# KiCad board poly_kb_molecule_7x5_wave_left.kicad_pcb (continued)
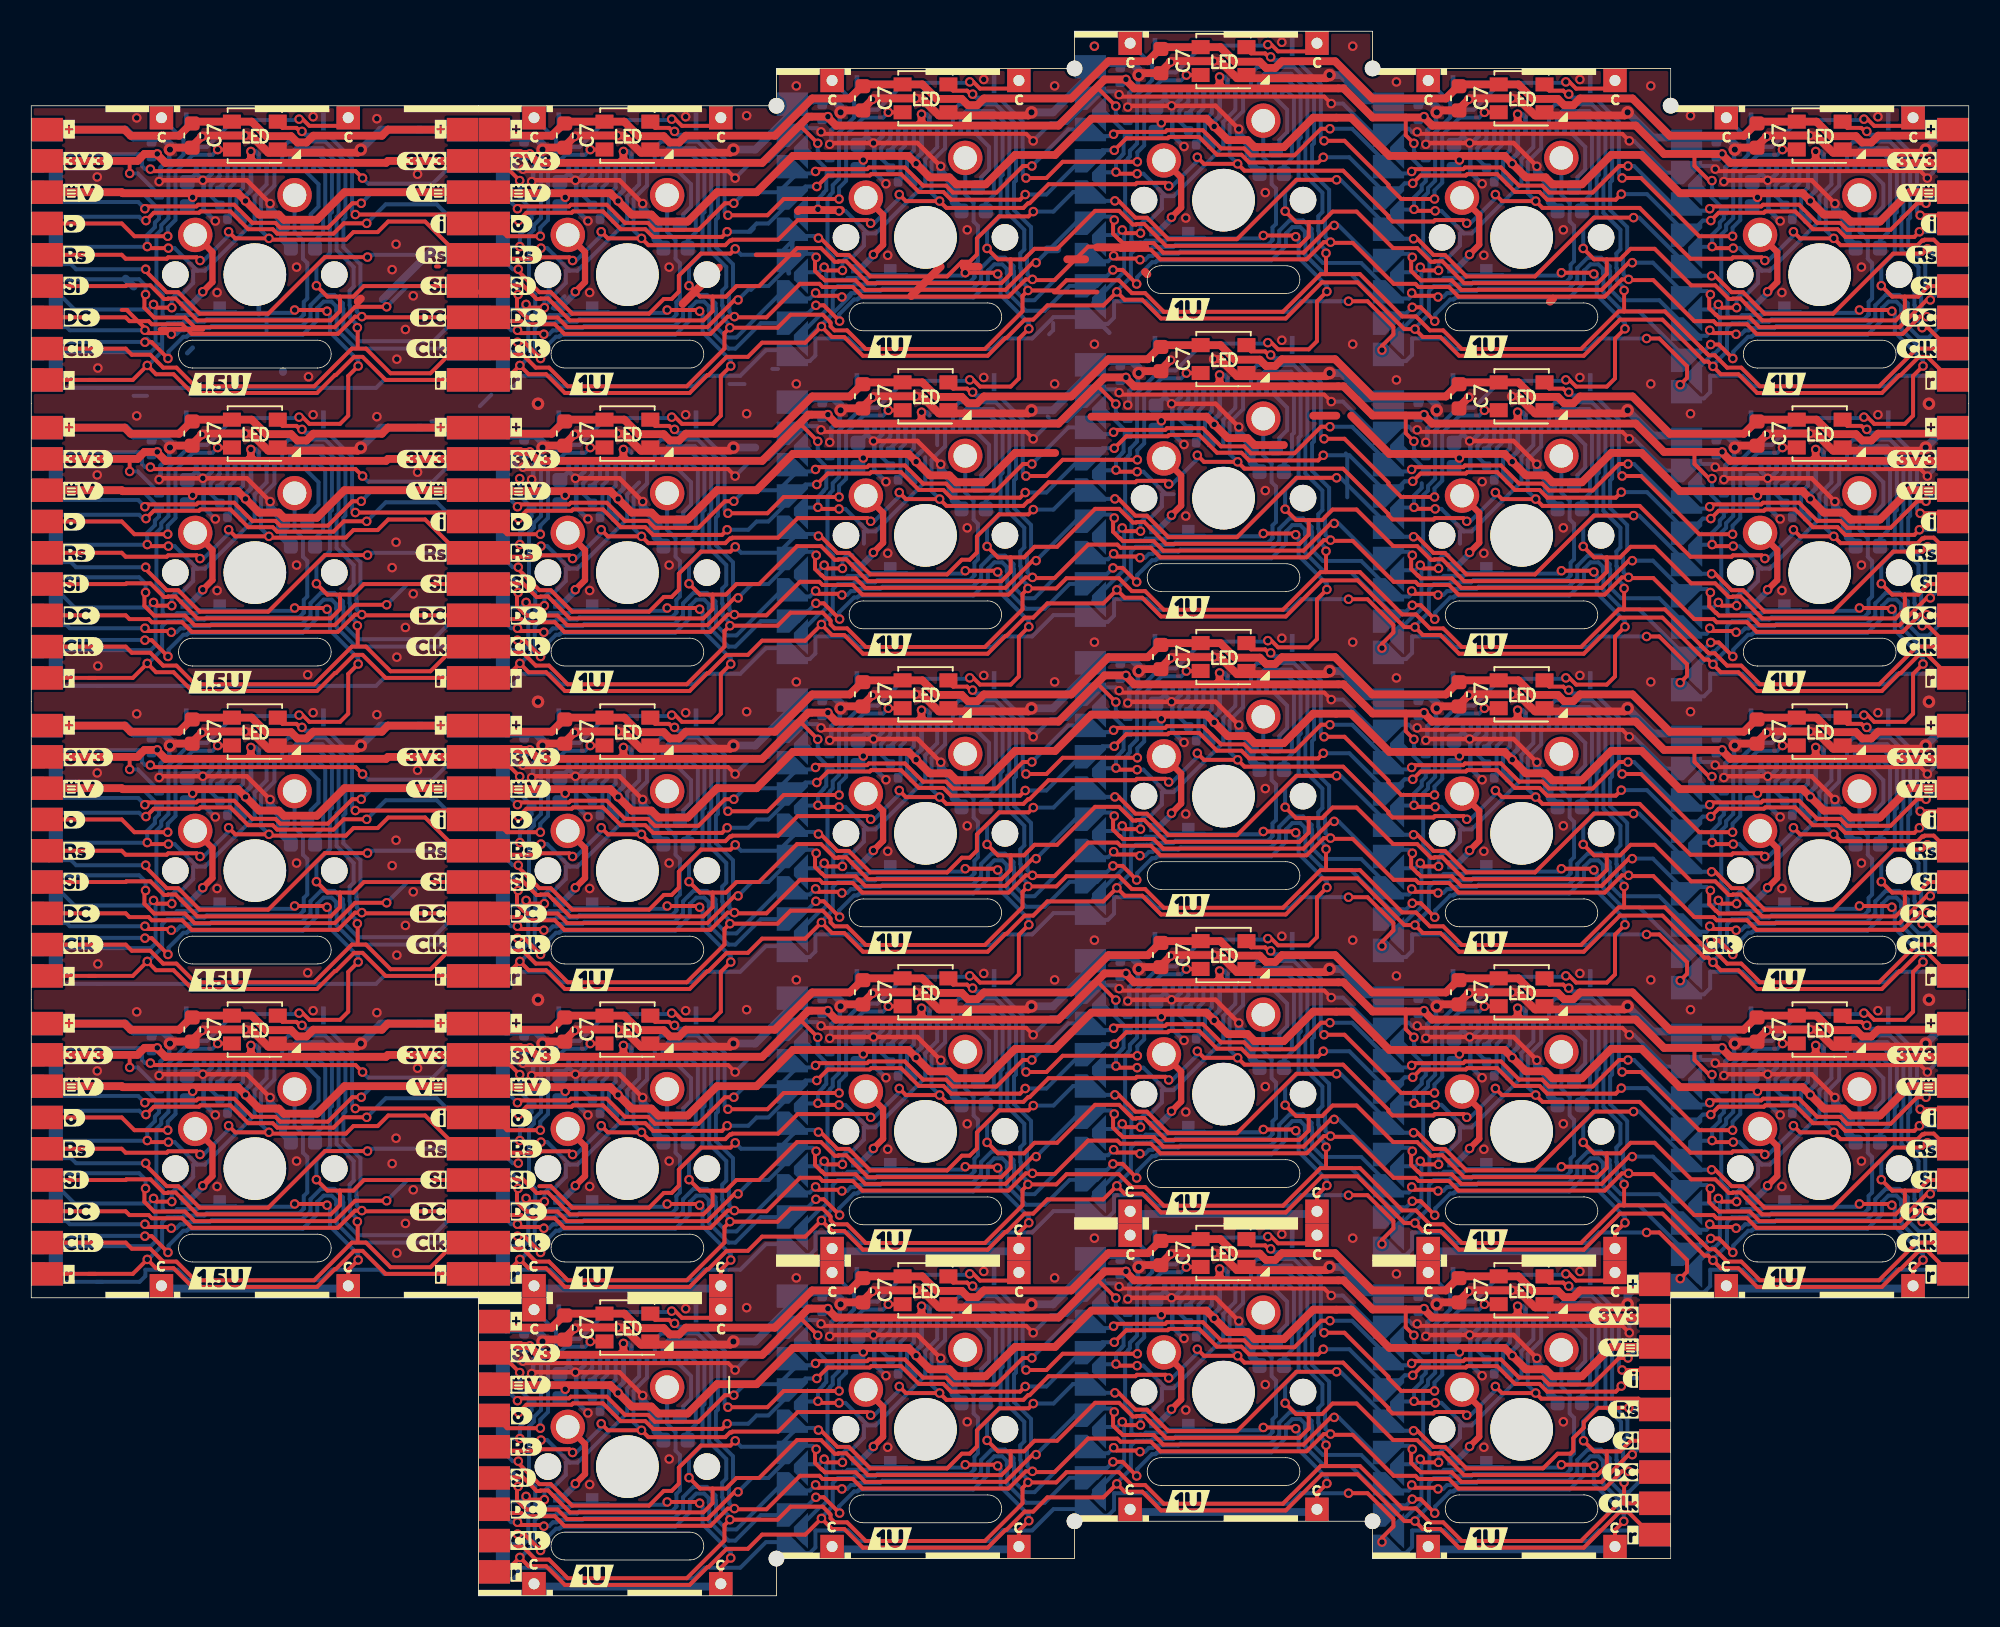
[diagram p0: board, top side]
## Routing (per net, layer and track width the routed paths; a pad name or vN(x,y) marks a point on that pad's centre or on a via; arc(x,y) is an arc through that point) (continued)
  Bottom w0.25: 75.01,10.57 74.97,10.61 72.68,10.61 72.65,10.57 ; 55.96,84.39 55.92,84.43 53.63,84.43 53.6,84.39 ; 55.96,65.34 55.92,65.38 53.63,65.38 53.6,65.34 ; 72.65,48.67 72.68,48.71 74.97,48.71 75.01,48.67 ; 13.1,62.96 13.06,63 10.77,63 10.73,62.96 ; 91.7,65.34 91.73,65.38 94.03,65.38 94.06,65.34 ; 36.91,43.91 36.88,43.95 34.58,43.95 34.55,43.91 ; 55.96,27.24 55.92,27.28 53.63,27.28 53.6,27.24 ; 113.11,62.96 113.08,63 110.78,63 110.75,62.96 ; 75.01,29.62 74.97,29.66 72.68,29.66 72.65,29.62 ; 36.91,62.96 36.88,63 34.58,63 34.55,62.96 ; 36.91,5.81 36.88,5.85 34.58,5.85 34.55,5.81 ; 110.75,82.01 110.78,82.05 113.08,82.05 113.11,82.01 ; 13.1,82.01 13.06,82.05 10.77,82.05 10.73,82.01 ; 91.7,46.29 91.73,46.33 94.03,46.33 94.06,46.29 ; 53.6,46.29 53.63,46.33 55.92,46.33 55.96,46.29 ; 34.55,82.01 34.58,82.05 36.88,82.05 36.91,82.01 ; 94.06,84.39 94.03,84.43 91.73,84.43 91.7,84.39 ; 13.1,24.86 13.06,24.9 10.77,24.9 10.73,24.86 ; 94.06,27.24 94.03,27.28 91.73,27.28 91.7,27.24 ; 72.65,67.72 72.68,67.76 74.97,67.76 75.01,67.72 ; 34.55,24.86 34.58,24.9 36.88,24.9 36.91,24.86 ; 110.75,24.86 110.78,24.9 113.08,24.9 113.11,24.86 ; 72.65,86.77 72.68,86.81 74.97,86.81 75.01,86.77 ; 13.1,43.91 13.06,43.95 10.77,43.95 10.73,43.91 ; 53.6,8.19 53.63,8.23 55.92,8.23 55.96,8.19 ; 94.06,8.19 94.03,8.23 91.73,8.23 91.7,8.19 ; 113.11,43.91 113.08,43.95 110.78,43.95 110.75,43.91
  Bottom w0.254: 94.06,8.19 97.61,8.19 v1(97.79,8.38) ; v1(59.98,58.68) 59.92,58.62 55.81,58.62 54.09,56.9 53.07,56.9 51.62,55.45 51.62,52.48 51.22,52.07 51.22,51.61 51.04,51.43 51.04,51.39 50.89,51.23 50.89,47.83 51.26,47.46 51.26,46.16 51.38,46.03 51.85,46.03 52.06,46.03 52.18,46.15 53.45,46.15 53.6,46.29 ; v1(59.98,77.73) 59.92,77.67 55.81,77.67 54.09,75.95 53.07,75.95 51.62,74.5 51.62,71.53 51.22,71.12 51.22,70.66 51.04,70.48 51.04,70.44 50.89,70.28 50.89,66.88 51.26,66.51 51.26,65.21 51.38,65.08 51.85,65.08 52.06,65.08 52.18,65.2 53.45,65.2 53.6,65.34 ; 71.64,97.38 71.64,97.85 71.45,98.03 71.45,98.03 J8#5.1 ; 71.64,97.38 73.14,97.38 74.86,99.1 78.97,99.1 v1(79.03,99.16) ; 71.64,97.38 71.64,96.9 70.67,95.93 70.67,92.84 70.21,92.38 70.21,92.02 70.11,91.91 70.11,91.88 69.91,91.68 69.91,88.34 70.31,87.94 70.31,86.64 70.43,86.51 70.9,86.51 71.11,86.51 71.23,86.63 72.5,86.63 72.65,86.77 ; v1(80.81,10.68) 81,10.49 81,9.33 82.8,7.53 v1(82.8,7.18) ; 109.74,92.62 109.74,93.08 109.55,93.27 109.55,93.27 J8#3.1 ; 109.74,92.62 109.74,92.13 108.77,91.17 108.77,88.07 108.32,87.62 108.32,87.32 108.01,87.01 108.01,83.58 108.41,83.18 108.41,81.88 108.53,81.75 109,81.75 109,81.75 109.21,81.75 109.33,81.87 110.6,81.87 110.75,82.01 ; 109.74,92.62 111.24,92.62 112.96,94.34 117.07,94.34 v1(117.13,94.39) ; v1(82.8,26.23) 82.8,26.58 81,28.38 81,29.54 v1(80.81,29.73) ; 90.69,95 92.19,95 93.91,96.72 98.02,96.72 v1(98.08,96.78) ; 90.69,95 90.69,95.46 90.5,95.65 90.5,95.65 J8#9.1 ; 90.69,95 90.69,94.51 89.72,93.55 89.72,90.45 89.27,90 89.27,89.7 88.96,89.39 88.96,85.96 89.36,85.56 89.36,84.26 89.48,84.13 89.95,84.13 90.16,84.13 90.28,84.25 91.55,84.25 91.7,84.39 ; v1(99.86,84.5) 100.05,84.31 100.05,83.15 101.85,81.35 v1(101.85,80.99) ; 53.6,8.19 53.45,8.05 52.18,8.05 52.06,7.93 51.85,7.93 51.38,7.93 51.26,8.06 51.26,9.36 50.89,9.73 50.89,13.13 51.04,13.29 51.04,13.33 51.22,13.51 51.22,13.97 51.62,14.38 51.62,17.35 52.59,18.31 52.59,18.8 ; v1(17.12,75.34) 17.06,75.29 12.95,75.29 11.23,73.57 10.21,73.57 8.76,72.12 8.76,69.02 8.31,68.57 8.31,68.27 8,67.96 8,64.53 8.4,64.13 8.4,62.83 8.52,62.7 8.98,62.7 8.98,62.7 9.2,62.7 9.32,62.82 10.59,62.82 10.73,62.96 ; 91.7,27.24 91.55,27.1 90.28,27.1 90.16,26.98 89.95,26.98 89.48,26.98 89.36,27.11 89.36,28.41 88.96,28.81 88.96,32.24 89.27,32.55 89.27,32.85 89.72,33.3 89.72,36.4 91.17,37.85 92.19,37.85 93.91,39.57 98.02,39.57 v1(98.08,39.63) ; 52.59,95 54.09,95 55.81,96.72 59.92,96.72 v1(59.98,96.78) ; 52.59,95 52.59,95.46 52.4,95.65 52.4,95.65 J8#10.1 ; 52.59,95 52.59,94.51 51.62,93.55 51.62,90.58 51.22,90.17 51.22,89.71 51.04,89.53 51.04,89.49 50.89,89.33 50.89,85.93 51.26,85.56 51.26,84.26 51.38,84.13 51.85,84.13 52.06,84.13 52.18,84.25 53.45,84.25 53.6,84.39 ; v1(59.98,20.58) 59.92,20.52 55.81,20.52 54.09,18.8 52.59,18.8 ; v1(120.9,78.61) 120.9,78.97 119.1,80.77 119.1,81.93 v1(118.91,82.12) ; v1(61.76,65.45) 61.95,65.26 61.95,64.1 63.75,62.3 v1(63.75,61.94) ; v1(97.79,84.58) 97.61,84.39 94.06,84.39 ; v1(40.93,75.34) 40.87,75.29 36.76,75.29 35.04,73.57 33.98,73.57 33.54,73.13 33.54,73.08 32.57,72.12 32.57,69.02 32.12,68.57 32.12,68.27 31.81,67.96 31.81,64.53 32.21,64.13 32.21,62.83 32.33,62.7 32.8,62.7 32.8,62.7 33.01,62.7 33.13,62.82 34.4,62.82 34.55,62.96 ; v1(120.9,21.46) 120.9,21.82 119.1,23.62 119.1,24.78 v1(118.91,24.97) ; v1(97.79,27.43) 97.61,27.24 94.06,27.24 ; v1(117.13,56.29) 117.07,56.24 112.96,56.24 111.24,54.52 110.24,54.52 109.64,53.91 109.62,53.91 108.77,53.07 108.77,49.97 108.32,49.52 108.32,49.22 108.01,48.91 108.01,45.48 108.41,45.08 108.41,43.78 108.53,43.65 109,43.65 109,43.65 109.21,43.65 109.33,43.77 110.6,43.77 110.75,43.91 ; v1(101.85,23.84) 101.85,24.2 100.05,26 100.05,27.16 v1(99.86,27.35) ; 52.59,18.8 52.59,19.26 52.4,19.45 52.4,19.45 J8#4.1 ; v1(17.12,94.39) 17.06,94.34 12.95,94.34 11.23,92.62 9.73,92.62 ; 72.65,29.62 72.5,29.48 71.23,29.48 71.11,29.36 70.9,29.36 70.43,29.36 70.31,29.49 70.31,30.79 69.91,31.19 69.91,34.53 70.11,34.73 70.11,34.76 70.21,34.87 70.21,35.23 70.67,35.69 70.67,38.78 72.12,40.23 73.14,40.23 74.86,41.95 78.97,41.95 v1(79.03,42.01) ; J8#8.1 71.45,21.83 71.45,21.83 71.64,21.65 71.64,21.18 ; 10.73,24.86 10.59,24.72 9.32,24.72 9.2,24.6 8.98,24.6 8.98,24.6 8.52,24.6 8.4,24.73 8.4,26.03 8,26.43 8,29.86 8.31,30.17 8.31,30.47 8.76,30.92 8.76,34.02 10.21,35.47 11.23,35.47 12.95,37.19 17.06,37.19 v1(17.12,37.24) ; v1(99.86,65.45) 100.05,65.26 100.05,64.1 101.85,62.3 v1(101.85,61.94) ; v1(16.83,63.14) 16.65,62.96 13.1,62.96 ; 55.96,65.34 59.51,65.34 v1(59.69,65.53) ; 10.73,82.01 10.59,81.87 9.32,81.87 9.2,81.75 8.98,81.75 8.98,81.75 8.52,81.75 8.4,81.88 8.4,83.18 8,83.58 8,87.01 8.31,87.32 8.31,87.62 8.76,88.07 8.76,91.17 9.73,92.13 9.73,92.62 ; v1(16.83,82.19) 16.65,82.01 13.1,82.01 ; 110.75,24.86 110.6,24.72 109.33,24.72 109.21,24.6 109,24.6 109,24.6 108.53,24.6 108.41,24.73 108.41,26.03 108.01,26.43 108.01,29.86 108.32,30.17 108.32,30.47 108.77,30.92 108.77,34.02 110.22,35.47 111.24,35.47 112.96,37.19 117.07,37.19 v1(117.13,37.24) ; 72.65,10.57 72.5,10.43 71.23,10.43 71.11,10.31 70.9,10.31 70.43,10.31 70.31,10.44 70.31,11.74 69.91,12.14 69.91,15.48 70.11,15.68 70.11,15.71 70.21,15.82 70.21,16.18 70.67,16.64 70.67,19.73 71.64,20.7 71.64,21.18 ; v1(42.71,44.02) 42.9,43.83 42.9,42.67 44.7,40.87 v1(44.7,40.51) ; 36.91,62.96 40.46,62.96 v1(40.64,63.14) ; v1(78.74,29.81) 78.56,29.62 75.01,29.62 ; 71.64,21.18 73.14,21.18 74.86,22.9 78.97,22.9 v1(79.03,22.96) ; 34.55,43.91 34.4,43.77 33.13,43.77 33.01,43.65 32.8,43.65 32.8,43.65 32.33,43.65 32.21,43.78 32.21,45.08 31.81,45.48 31.81,48.91 32.12,49.22 32.12,49.52 32.57,49.97 32.57,53.07 34.02,54.52 35.04,54.52 36.76,56.24 40.87,56.24 v1(40.93,56.29) ; 33.54,16.42 35.04,16.42 36.76,18.14 40.87,18.14 v1(40.93,18.19) ; 33.54,16.42 33.54,16.88 33.35,17.07 33.35,17.07 J8#6.1 ; 33.54,16.42 33.54,15.93 32.57,14.97 32.57,11.87 32.12,11.42 32.12,11.12 31.81,10.81 31.81,7.38 32.21,6.98 32.21,5.68 32.33,5.55 32.8,5.55 32.8,5.55 33.01,5.55 33.13,5.67 34.4,5.67 34.55,5.81 ; 94.06,46.29 97.61,46.29 v1(97.79,46.48) ; v1(98.08,58.68) 98.02,58.62 93.91,58.62 92.19,56.9 91.17,56.9 89.72,55.45 89.72,52.35 89.27,51.9 89.27,51.6 88.96,51.29 88.96,47.86 89.36,47.46 89.36,46.16 89.48,46.03 89.95,46.03 90.16,46.03 90.28,46.15 91.55,46.15 91.7,46.29 ; v1(78.74,86.96) 78.56,86.77 75.01,86.77 ; 36.91,43.91 40.46,43.91 v1(40.64,44.09) ; v1(120.9,59.56) 120.9,59.92 119.1,61.72 119.1,62.88 v1(118.91,63.07) ; v1(44.7,78.61) 44.7,78.97 42.9,80.77 42.9,81.93 v1(42.71,82.12) ; v1(61.76,46.4) 61.95,46.21 61.95,45.05 63.75,43.25 v1(63.75,42.89) ; v1(63.75,4.79) 63.75,5.15 61.95,6.95 61.95,8.11 v1(61.76,8.3) ; 33.54,92.62 33.54,92.13 32.57,91.17 32.57,88.07 32.12,87.62 32.12,87.32 31.81,87.01 31.81,83.58 32.21,83.18 32.21,81.88 32.33,81.75 32.8,81.75 32.8,81.75 33.01,81.75 33.13,81.87 34.4,81.87 34.55,82.01 ; 33.54,92.62 35.04,92.62 36.76,94.34 40.87,94.34 v1(40.93,94.39) ; 33.54,92.62 33.54,93.08 33.35,93.27 33.35,93.27 J8.1 ; 91.7,65.34 91.55,65.2 90.28,65.2 90.16,65.08 89.95,65.08 89.48,65.08 89.36,65.21 89.36,66.51 88.96,66.91 88.96,70.34 89.27,70.65 89.27,70.95 89.72,71.4 89.72,74.5 91.17,75.95 92.19,75.95 93.91,77.67 98.02,77.67 v1(98.08,77.73) ; v1(40.64,5.99) 40.46,5.81 36.91,5.81 ; 55.96,84.39 59.51,84.39 v1(59.69,84.58) ; v1(40.93,37.24) 40.87,37.19 36.76,37.19 35.04,35.47 34.02,35.47 32.57,34.02 32.57,30.92 32.12,30.47 32.12,30.17 31.81,29.86 31.81,26.43 32.21,26.03 32.21,24.73 32.33,24.6 32.8,24.6 32.8,24.6 33.01,24.6 33.13,24.72 34.4,24.72 34.55,24.86 ; 113.11,43.91 116.66,43.91 v1(116.84,44.09) ; v1(101.78,4.76) 101.78,5.23 99.86,7.15 v1(99.86,8.3) ; v1(82.8,83.38) 82.8,83.73 81,85.53 81,86.69 v1(80.81,86.88) ; 113.11,24.86 116.66,24.86 v1(116.84,25.04) ; v1(61.76,84.5) 61.95,84.31 61.95,83.15 63.75,81.35 v1(63.75,80.99) ; v1(82.8,64.33) 82.8,64.68 81,66.48 81,67.64 v1(80.81,67.83) ; v1(82.8,45.28) 82.8,45.63 81,47.43 81,48.59 v1(80.81,48.78) ; 90.69,18.8 90.69,19.26 90.5,19.45 90.5,19.45 J8#7.1 ; 90.69,18.8 90.69,18.31 89.72,17.35 89.72,14.25 89.27,13.8 89.27,13.5 88.96,13.19 88.96,9.76 89.36,9.36 89.36,8.06 89.48,7.93 89.95,7.93 90.16,7.93 90.28,8.05 91.55,8.05 91.7,8.19 ; 90.69,18.8 92.19,18.8 93.91,20.52 98.02,20.52 v1(98.08,20.58) ; v1(20.89,40.51) 20.89,40.87 19.09,42.67 19.09,43.83 v1(18.9,44.02) ; v1(40.64,82.19) 40.46,82.01 36.91,82.01 ; v1(16.83,25.04) 16.65,24.86 13.1,24.86 ; v1(59.69,8.38) 59.51,8.19 55.96,8.19 ; v1(59.98,39.63) 59.92,39.57 55.81,39.57 54.09,37.85 53.03,37.85 53.03,37.81 51.62,36.4 51.62,33.43 51.22,33.02 51.22,32.56 51.04,32.38 51.04,32.34 50.89,32.18 50.89,28.78 51.26,28.41 51.26,27.11 51.38,26.98 51.85,26.98 52.06,26.98 52.18,27.1 53.45,27.1 53.6,27.24 ; v1(101.85,42.89) 101.85,43.25 100.05,45.05 100.05,46.21 v1(99.86,46.4) ; J8#2.1 9.53,93.27 9.54,93.27 9.73,93.08 9.73,92.62 ; v1(20.89,78.61) 20.89,78.97 19.09,80.77 19.09,81.93 v1(18.9,82.12) ; 13.1,43.91 16.65,43.91 v1(16.83,44.09) ; v1(17.12,56.29) 17.06,56.24 12.95,56.24 11.23,54.52 10.21,54.52 8.76,53.07 8.76,49.97 8.31,49.52 8.31,49.22 8,48.91 8,45.48 8.4,45.08 8.4,43.78 8.52,43.65 8.98,43.65 8.98,43.65 9.2,43.65 9.32,43.77 10.59,43.77 10.73,43.91 ; v1(116.84,63.14) 116.66,62.96 113.11,62.96 ; v1(78.74,10.76) 78.56,10.57 75.01,10.57 ; 72.65,67.72 72.5,67.58 71.23,67.58 71.11,67.46 70.9,67.46 70.43,67.46 70.31,67.59 70.31,68.89 69.91,69.29 69.91,72.63 70.11,72.83 70.11,72.86 70.21,72.97 70.21,73.33 70.67,73.79 70.67,76.88 72.12,78.33 73.14,78.33 74.86,80.05 78.97,80.05 v1(79.03,80.11) ; 36.91,24.86 40.46,24.86 v1(40.64,25.04) ; v1(78.74,48.86) 78.56,48.67 75.01,48.67 ; v1(79.03,61.06) 78.97,61 74.86,61 73.14,59.28 72.12,59.28 70.67,57.83 70.67,54.74 70.21,54.28 70.21,53.92 70.11,53.81 70.11,53.78 69.91,53.58 69.91,50.24 70.31,49.84 70.31,48.54 70.43,48.41 70.9,48.41 71.11,48.41 71.23,48.53 72.5,48.53 72.65,48.67 ; v1(61.76,27.35) 61.95,27.16 61.95,26 63.75,24.2 v1(63.75,23.84) ; v1(97.79,65.53) 97.61,65.34 94.06,65.34 ; v1(78.74,67.91) 78.56,67.72 75.01,67.72 ; v1(44.7,2.41) 44.7,2.77 42.9,4.57 42.9,5.73 v1(42.71,5.92) ; v1(120.9,40.51) 120.9,40.87 119.1,42.67 119.1,43.83 v1(118.91,44.02) ; v1(59.69,27.43) 59.51,27.24 55.96,27.24 ; 110.75,62.96 110.6,62.82 109.33,62.82 109.21,62.7 109,62.7 109,62.7 108.53,62.7 108.41,62.83 108.41,64.13 108.01,64.53 108.01,67.96 108.32,68.27 108.32,68.57 108.77,69.02 108.77,72.12 110.22,73.57 111.24,73.57 112.96,75.29 117.07,75.29 v1(117.13,75.34) ; v1(20.89,59.56) 20.89,59.92 19.09,61.72 19.09,62.88 v1(18.9,63.07) ; 55.96,46.29 59.51,46.29 v1(59.69,46.48) ; 113.11,82.01 116.66,82.01 v1(116.84,82.19) ; v1(20.89,21.46) 20.89,21.82 19.09,23.62 19.09,24.78 v1(18.9,24.97) ; v1(42.71,24.97) 42.9,24.78 42.9,23.62 44.7,21.82 v1(44.7,21.46) ; v1(44.7,59.56) 44.7,59.92 42.9,61.72 42.9,62.88 v1(42.71,63.07)
  Bottom w0.5: J7#5.1 32.3,0.59 43.9,0.59 J9#10.1 ; J7#2.1 108.5,19.64 120.1,19.64 J9#4.1 ; J7.1 51.35,2.97 62.95,2.97 J9#5.1 ; J7#3.1 70.4,5.35 82,5.35 J9#8.1 ; J9#7.1 82,24.4 70.4,24.4 J7#6.1 ; J9#2.1 101.05,22.02 89.45,22.02 J7#8.1 ; J9#9.1 62.95,22.02 51.35,22.02 J7#10.1 ; J9.1 43.9,19.64 32.3,19.64 J7#9.1 ; J9#6.1 101.05,2.97 89.45,2.97 J7#7.1 ; J9#3.1 20.08,19.64 8.49,19.64 J7#4.1
/Keyboard/sheet605ED2EB/KeyRow: length 1195.6
  Top w0.254: 3.65,20.58 4.11,20.58 ; J4#7.9 22.65,39.63 21.17,41.1 20.63,41.1 19.46,39.93 19.4,39.93 18.26,38.79 10.29,38.79 9.09,39.99 7.98,39.99 v1(7.41,40.55) 6.49,39.63 J3#8.9 ; J4.9 122.66,20.58 121.18,22.05 120.64,22.05 119.47,20.88 119.42,20.88 118.27,19.74 110.3,19.74 109.1,20.94 107.98,20.94 v1(107.48,21.44) 107.18,21.74 106.94,21.74 104.25,24.43 101.53,24.43 99.22,22.12 91.25,22.12 90.05,23.32 88.94,23.32 v1(88.43,23.82) 87.76,23.82 84.77,26.81 82.48,26.81 80.17,24.5 72.2,24.5 71,25.7 69.88,25.7 v1(69.38,26.2) 68.52,25.34 64.94,25.34 64.03,24.43 63.49,24.43 62.32,23.26 62.27,23.26 61.12,22.12 53.15,22.12 51.95,23.32 51.17,23.32 v1(50.5,23.99) 49.47,22.96 46.71,22.96 45.8,22.05 44.44,22.05 43.27,20.88 43.22,20.88 42.07,19.74 34.1,19.74 32.9,20.94 31.79,20.94 v1(31.23,21.5) 30.3,20.58 29.84,20.58 ; J3#3.9 6.49,20.58 v1(7.41,21.5) 7.98,20.94 9.09,20.94 10.29,19.74 18.26,19.74 19.4,20.88 19.46,20.88 20.63,22.05 21.17,22.05 22.65,20.58 J4#8.9 ; J3#9.9 6.49,58.68 v1(7.41,59.6) 7.98,59.04 9.09,59.04 10.29,57.84 18.26,57.84 19.4,58.98 19.46,58.98 20.63,60.15 21.17,60.15 22.65,58.68 J4#4.9 ; 3.65,58.68 4.11,58.68 ; 29.84,1.52 30.3,1.52 v1(31.23,2.45) 31.79,1.89 32.9,1.89 34.1,0.69 42.07,0.69 43.22,1.83 43.27,1.83 44.44,3 45.8,3 46.71,3.91 49.47,3.91 v1(50.5,4.94) 51.17,4.27 51.95,4.27 53.15,3.07 61.12,3.07 62.27,4.21 62.32,4.21 63.49,5.38 64.03,5.38 64.94,6.29 68.52,6.29 v1(69.38,7.15) 69.88,6.65 71,6.65 72.2,5.45 80.17,5.45 82.48,7.76 84.77,7.76 87.76,4.77 v1(88.43,4.77) 88.94,4.27 90.05,4.27 91.25,3.07 99.22,3.07 101.49,5.34 102.08,5.34 103.51,3.91 J4#5.9 ; 29.84,39.62 30.3,39.62 v1(31.23,40.55) 31.79,39.99 32.9,39.99 34.1,38.79 42.07,38.79 43.22,39.93 43.27,39.93 44.44,41.1 45.8,41.1 46.71,42.01 49.47,42.01 v1(50.5,43.04) 51.17,42.37 51.95,42.37 53.15,41.17 61.12,41.17 62.27,42.31 62.32,42.31 63.49,43.48 64.03,43.48 64.94,44.39 68.52,44.39 v1(69.38,45.25) 69.88,44.75 71,44.75 72.2,43.55 80.17,43.55 82.48,45.86 84.77,45.86 87.76,42.87 v1(88.43,42.87) 88.94,42.37 90.05,42.37 91.25,41.17 99.22,41.17 101.53,43.48 104.25,43.48 106.94,40.79 107.18,40.79 v1(107.48,40.49) 107.98,39.99 109.1,39.99 110.3,38.79 118.27,38.79 119.42,39.93 119.47,39.93 120.64,41.1 121.18,41.1 122.66,39.62 J4#2.9 ; J4#9.9 22.65,77.73 21.17,79.2 20.63,79.2 19.46,78.03 19.4,78.03 18.26,76.89 10.29,76.89 9.09,78.09 7.98,78.09 v1(7.41,78.65) 6.49,77.73 J3#5.9 ; J4#6.9 122.66,77.72 121.18,79.2 120.64,79.2 119.47,78.03 119.42,78.03 118.27,76.89 110.3,76.89 109.1,78.09 107.98,78.09 v1(107.48,78.59) 107.18,78.89 106.94,78.89 104.25,81.58 101.53,81.58 99.22,79.27 91.25,79.27 90.05,80.47 88.94,80.47 v1(88.43,80.97) 87.76,80.97 84.77,83.96 82.48,83.96 80.17,81.65 72.2,81.65 71,82.85 69.88,82.85 v1(69.38,83.35) 68.52,82.49 64.94,82.49 64.03,81.58 63.49,81.58 62.32,80.41 62.27,80.41 61.12,79.27 53.15,79.27 51.95,80.47 51.17,80.47 v1(50.5,81.14) 49.47,80.11 46.71,80.11 45.8,79.2 44.44,79.2 43.27,78.03 43.22,78.03 42.07,76.89 34.1,76.89 32.9,78.09 31.79,78.09 v1(31.23,78.65) 30.3,77.72 29.84,77.72 ; J4#3.9 122.66,58.67 121.18,60.15 120.64,60.15 119.47,58.98 119.42,58.98 118.27,57.84 110.3,57.84 109.1,59.04 107.98,59.04 v1(107.48,59.54) 107.18,59.84 106.94,59.84 104.25,62.53 101.53,62.53 99.22,60.22 91.25,60.22 90.05,61.42 88.94,61.42 v1(88.43,61.92) 87.76,61.92 84.77,64.91 82.48,64.91 80.17,62.6 72.2,62.6 71,63.8 69.88,63.8 v1(69.38,64.3) 68.52,63.44 64.94,63.44 64.03,62.53 63.49,62.53 62.32,61.36 62.27,61.36 61.12,60.22 53.15,60.22 51.95,61.42 51.17,61.42 v1(50.5,62.09) 49.47,61.06 46.71,61.06 45.8,60.15 44.44,60.15 43.27,58.98 43.22,58.98 42.07,57.84 34.1,57.84 32.9,59.04 31.79,59.04 v1(31.23,59.6) 30.3,58.67 29.84,58.67 ; 3.65,39.63 4.11,39.63 ; 3.65,77.73 4.11,77.73
  Bottom w0.254: 90.52,83.73 90.33,83.73 90.33,83.73 90.12,83.73 89.65,83.73 89.33,83.4 89.33,81.93 88.43,81.04 v1(88.43,80.97) ; 90.52,83.73 90.53,83.73 ; 90.52,83.73 90.62,83.73 90.72,83.83 92.03,83.83 92.18,83.99 98.09,83.99 98.37,84.27 98.37,84.31 98.38,84.33 98.38,84.33 98.38,85.09 98.6,85.31 98.6,87.57 98.33,87.85 98.33,89.04 97.79,89.57 SW1#8.1 ; 109.57,62.3 109.38,62.3 109.38,62.29 109.17,62.29 109.16,62.29 108.7,62.29 108.37,61.97 108.37,60.5 107.48,59.61 v1(107.48,59.54) ; 109.57,62.3 109.67,62.3 109.77,62.4 111.08,62.4 111.23,62.56 117.14,62.56 117.42,62.84 117.42,62.88 117.43,62.88 117.43,62.9 117.43,62.9 117.43,63.66 117.65,63.88 117.65,66.14 117.37,66.42 117.37,67.61 116.84,68.14 SW1#4.1 ; 109.57,62.3 109.58,62.3 ; 52.42,45.63 52.23,45.63 52.23,45.63 52.02,45.63 51.55,45.63 51.22,45.3 51.22,43.83 50.5,43.11 v1(50.5,43.04) ; 52.42,45.63 52.52,45.63 52.62,45.73 53.92,45.73 54.08,45.89 59.99,45.89 60.27,46.17 60.27,46.21 60.28,46.23 60.28,46.23 60.28,46.99 60.5,47.21 60.5,49.47 60.22,49.75 60.22,50.94 59.69,51.47 SW1#17.1 ; 52.42,45.63 52.42,45.63 ; 33.37,81.35 33.18,81.35 33.18,81.34 32.97,81.34 32.96,81.34 32.5,81.34 32.17,81.02 32.17,79.55 32.17,79.55 31.27,78.65 v1(31.23,78.65) ; 33.37,81.35 33.38,81.35 ; 33.37,81.35 33.47,81.35 33.57,81.45 34.88,81.45 35.03,81.61 40.94,81.61 41.22,81.89 41.22,81.93 41.23,81.93 41.23,81.95 41.23,81.95 41.23,82.71 41.45,82.93 41.45,85.19 41.17,85.47 41.17,86.66 40.64,87.19 SW1.1 ; 9.56,62.3 9.37,62.3 9.37,62.29 9.15,62.29 9.15,62.29 8.69,62.29 8.36,61.97 8.36,60.5 8.36,60.5 7.46,59.6 v1(7.41,59.6) ; 9.56,62.3 9.56,62.3 ; 9.56,62.3 9.66,62.3 9.76,62.4 11.06,62.4 11.22,62.56 17.13,62.56 17.41,62.84 17.41,62.88 17.41,62.88 17.41,62.9 17.41,62.9 17.41,63.66 17.64,63.88 17.64,66.14 17.36,66.42 17.36,67.61 16.83,68.14 SW1#2.1 ; 90.52,26.58 90.33,26.58 90.33,26.58 90.12,26.58 89.65,26.58 89.33,26.25 89.33,24.78 88.43,23.89 v1(88.43,23.82) ; 90.52,26.58 90.62,26.58 90.72,26.68 92.03,26.68 92.18,26.84 98.09,26.84 98.37,27.12 98.37,27.16 98.38,27.18 98.38,27.18 98.38,27.94 98.6,28.16 98.6,30.42 98.33,30.7 98.33,31.89 97.79,32.42 SW1#19.1 ; 90.52,26.58 90.53,26.58 ; 52.42,64.68 52.42,64.68 ; 52.42,64.68 52.52,64.68 52.62,64.78 53.92,64.78 54.08,64.94 59.99,64.94 60.27,65.22 60.27,65.26 60.28,65.28 60.28,65.28 60.28,66.04 60.5,66.26 60.5,68.52 60.22,68.8 60.22,69.99 59.69,70.52 SW1#27.1 ; 52.42,64.68 52.23,64.68 52.23,64.68 52.02,64.68 51.55,64.68 51.22,64.35 51.22,62.88 50.5,62.16 v1(50.5,62.09) ; 33.37,62.3 33.18,62.3 33.18,62.29 32.97,62.29 32.96,62.29 32.5,62.29 32.17,61.97 32.17,60.5 32.17,60.5 31.27,59.6 v1(31.23,59.6) ; 33.37,62.3 33.38,62.3 ; 33.37,62.3 33.47,62.3 33.57,62.4 34.88,62.4 35.03,62.56 40.94,62.56 41.22,62.84 41.22,62.88 41.23,62.88 41.23,62.9 41.23,62.9 41.23,63.66 41.45,63.88 41.45,66.14 41.17,66.42 41.17,67.61 40.64,68.14 SW1#5.1 ; 109.57,24.2 109.38,24.2 109.38,24.19 109.17,24.19 109.16,24.19 108.7,24.19 108.37,23.87 108.37,22.4 107.48,21.51 v1(107.48,21.44) ; 109.57,24.2 109.67,24.2 109.77,24.3 111.08,24.3 111.23,24.46 117.14,24.46 117.42,24.74 117.42,24.78 117.43,24.78 117.43,24.8 117.43,24.8 117.43,25.56 117.65,25.78 117.65,28.04 117.37,28.32 117.37,29.51 116.84,30.04 SW1#26.1 ; 109.57,24.2 109.58,24.2 ; 90.52,64.68 90.33,64.68 90.33,64.68 90.12,64.68 89.65,64.68 89.33,64.35 89.33,62.88 88.43,61.99 v1(88.43,61.92) ; 90.52,64.68 90.53,64.68 ; 90.52,64.68 90.62,64.68 90.72,64.78 92.03,64.78 92.18,64.94 98.09,64.94 98.37,65.22 98.37,65.26 98.38,65.28 98.38,65.28 98.38,66.04 98.6,66.26 98.6,68.52 98.33,68.8 98.33,69.99 97.79,70.52 SW1#20.1 ; SW1#15.1 78.74,72.9 79.28,72.37 79.28,71.18 79.55,70.91 79.55,68.64 79.33,68.42 79.33,67.67 79.33,67.66 79.33,67.65 79.32,67.64 79.32,67.6 79.04,67.32 73.13,67.32 72.97,67.16 71.67,67.16 71.57,67.06 71.47,67.06 ; 71.47,9.91 71.28,9.91 71.28,9.91 71.07,9.91 70.6,9.91 70.28,9.58 70.28,8.11 69.38,7.22 v1(69.38,7.15) ; 71.47,9.91 71.57,9.91 71.67,10.01 72.97,10.01 73.13,10.17 79.04,10.17 79.32,10.45 79.32,10.49 79.33,10.5 79.33,10.51 79.33,10.52 79.33,11.27 79.55,11.49 79.55,13.76 79.28,14.03 79.28,15.22 78.74,15.75 SW1#24.1 ; 71.47,9.91 71.47,9.91 ; 9.56,81.35 9.56,81.35 ; 9.56,81.35 9.37,81.35 9.37,81.34 9.15,81.34 9.15,81.34 8.69,81.34 8.36,81.02 8.36,79.55 8.36,79.55 7.46,78.65 v1(7.41,78.65) ; 9.56,81.35 9.66,81.35 9.76,81.45 11.06,81.45 11.22,81.61 17.13,81.61 17.41,81.89 17.41,81.93 17.41,81.93 17.41,81.95 17.41,81.95 17.41,82.71 17.64,82.93 17.64,85.19 17.36,85.47 17.36,86.66 16.83,87.19 SW1#21.1 ; 52.42,7.53 52.42,7.53 ; 52.42,7.53 52.52,7.53 52.62,7.63 53.92,7.63 54.08,7.79 59.99,7.79 60.27,8.07 60.27,8.11 60.28,8.13 60.28,8.13 60.28,8.89 60.5,9.11 60.5,11.37 60.22,11.65 60.22,12.84 59.69,13.37 SW1#7.1 ; 52.42,7.53 52.23,7.53 52.23,7.53 52.02,7.53 51.55,7.53 51.22,7.2 51.22,5.73 50.5,5.01 v1(50.5,4.94) ; 90.52,7.53 90.62,7.53 90.72,7.63 92.03,7.63 92.18,7.79 98.09,7.79 98.37,8.07 98.37,8.11 98.38,8.13 98.38,8.13 98.38,8.89 98.6,9.11 98.6,11.37 98.33,11.65 98.33,12.84 97.79,13.37 SW1#13.1 ; 90.52,7.53 90.33,7.53 90.33,7.53 90.12,7.53 89.65,7.53 89.33,7.2 89.33,5.73 88.43,4.84 v1(88.43,4.77) ; 90.52,7.53 90.53,7.53 ; 90.52,45.63 90.53,45.63 ; 90.52,45.63 90.33,45.63 90.33,45.63 90.12,45.63 89.65,45.63 89.33,45.3 89.33,43.83 88.43,42.94 v1(88.43,42.87) ; 90.52,45.63 90.62,45.63 90.72,45.73 92.03,45.73 92.18,45.89 98.09,45.89 98.37,46.17 98.37,46.21 98.38,46.23 98.38,46.23 98.38,46.99 98.6,47.21 98.6,49.47 98.33,49.75 98.33,50.94 97.79,51.47 SW1#28.1 ; SW1#10.1 40.64,49.09 41.17,48.56 41.17,47.37 41.45,47.09 41.45,44.83 41.23,44.61 41.23,43.85 41.23,43.85 41.23,43.83 41.22,43.83 41.22,43.79 40.94,43.51 35.03,43.51 34.88,43.35 33.57,43.35 33.47,43.25 33.37,43.25 ; 33.37,43.25 33.38,43.25 ; 33.37,43.25 33.18,43.25 33.18,43.24 32.97,43.24 32.96,43.24 32.5,43.24 32.17,42.92 32.17,41.45 32.17,41.45 31.27,40.55 v1(31.23,40.55) ; 9.56,24.2 9.66,24.2 9.76,24.3 11.06,24.3 11.22,24.46 17.13,24.46 17.41,24.74 17.41,24.78 17.41,24.78 17.41,24.8 17.41,24.8 17.41,25.56 17.64,25.78 17.64,28.04 17.36,28.32 17.36,29.51 16.83,30.04 SW1#16.1 ; 9.56,24.2 9.37,24.2 9.37,24.19 9.15,24.19 9.15,24.19 8.69,24.19 8.36,23.87 8.36,22.4 8.36,22.4 7.46,21.5 v1(7.41,21.5) ; 9.56,24.2 9.56,24.2 ; SW1#22.1 78.74,53.85 79.28,53.32 79.28,52.13 79.55,51.86 79.55,49.59 79.33,49.37 79.33,48.62 79.33,48.61 79.33,48.6 79.32,48.59 79.32,48.55 79.04,48.27 73.13,48.27 72.97,48.11 71.67,48.11 71.57,48.01 71.47,48.01 ; 33.37,24.2 33.47,24.2 33.57,24.3 34.88,24.3 35.03,24.46 40.94,24.46 41.22,24.74 41.22,24.78 41.23,24.78 41.23,24.8 41.23,24.8 41.23,25.56 41.45,25.78 41.45,28.04 41.17,28.32 41.17,29.51 40.64,30.04 SW1#11.1 ; 33.37,24.2 33.18,24.2 33.18,24.19 32.97,24.19 32.96,24.19 32.5,24.19 32.17,23.87 32.17,22.4 32.17,22.4 31.27,21.5 v1(31.23,21.5) ; 33.37,24.2 33.38,24.2 ; 9.56,43.25 9.56,43.25 ; 9.56,43.25 9.37,43.25 9.37,43.24 9.15,43.24 9.15,43.24 8.69,43.24 8.36,42.92 8.36,41.45 8.36,41.45 7.46,40.55 v1(7.41,40.55) ; 9.56,43.25 9.66,43.25 9.76,43.35 11.06,43.35 11.22,43.51 17.13,43.51 17.41,43.79 17.41,43.83 17.41,43.83 17.41,43.85 17.41,43.85 17.41,44.61 17.64,44.83 17.64,47.09 17.36,47.37 17.36,48.56 16.83,49.09 SW1#18.1 ; v1(69.38,83.35) 69.38,83.42 70.28,84.31 70.28,85.78 70.6,86.11 71.06,86.11 71.28,86.11 71.28,86.11 71.47,86.11 ; 109.57,81.35 109.38,81.35 109.38,81.34 109.17,81.34 109.16,81.34 108.7,81.34 108.37,81.02 108.37,79.55 107.48,78.66 v1(107.48,78.59) ; 109.57,81.35 109.67,81.35 109.77,81.45 111.08,81.45 111.23,81.61 117.14,81.61 117.42,81.89 117.42,81.93 117.43,81.93 117.43,81.95 117.43,81.95 117.43,82.71 117.65,82.93 117.65,85.19 117.37,85.47 117.37,86.66 116.84,87.19 SW1#14.1 ; 109.57,81.35 109.58,81.35 ; 71.47,86.11 71.57,86.11 71.67,86.21 72.97,86.21 73.13,86.37 79.04,86.37 79.32,86.65 79.32,86.69 79.33,86.7 79.33,86.71 79.33,86.72 79.33,87.47 79.55,87.69 79.55,89.96 79.28,90.23 79.28,91.42 78.74,91.95 SW1#3.1 ; 71.47,86.11 71.47,86.11 ; v1(107.48,40.49) 107.48,40.56 108.37,41.45 108.37,42.92 108.7,43.24 109.16,43.24 109.17,43.24 109.38,43.24 109.38,43.25 109.57,43.25 ; v1(31.23,2.45) 31.27,2.45 32.17,3.35 32.17,3.35 32.17,4.82 32.5,5.14 32.96,5.14 32.97,5.14 33.18,5.14 33.18,5.15 33.37,5.15 ; 71.47,28.96 71.28,28.96 71.28,28.96 71.07,28.96 70.6,28.96 70.28,28.63 70.28,27.16 69.38,26.27 v1(69.38,26.2) ; 71.47,28.96 71.47,28.96 ; 71.47,28.96 71.57,28.96 71.67,29.06 72.97,29.06 73.13,29.22 79.04,29.22 79.32,29.5 79.32,29.54 79.33,29.55 79.33,29.56 79.33,29.57 79.33,30.32 79.55,30.54 79.55,32.81 79.28,33.08 79.28,34.27 78.74,34.8 SW1#12.1 ; 33.37,5.15 33.47,5.15 33.57,5.25 34.88,5.25 35.03,5.41 40.94,5.41 41.22,5.69 41.22,5.73 41.23,5.73 41.23,5.75 41.23,5.75 41.23,6.51 41.45,6.73 41.45,8.99 41.17,9.27 41.17,10.46 40.64,10.99 SW1#6.1 ; 33.37,5.15 33.38,5.15 ; v1(50.5,23.99) 50.5,24.06 51.22,24.78 51.22,26.25 51.55,26.58 52.01,26.58 52.23,26.58 52.23,26.58 52.42,26.58 ; 71.47,67.06 71.47,67.06 ; 71.47,67.06 71.28,67.06 71.28,67.06 71.07,67.06 70.6,67.06 70.28,66.73 70.28,65.26 69.38,64.37 v1(69.38,64.3) ; 71.47,48.01 71.47,48.01 ; 71.47,48.01 71.28,48.01 71.28,48.01 71.07,48.01 70.6,48.01 70.28,47.68 70.28,46.21 69.38,45.32 v1(69.38,45.25) ; 52.42,83.73 52.52,83.73 52.62,83.83 53.92,83.83 54.08,83.99 59.99,83.99 60.27,84.27 60.27,84.31 60.28,84.33 60.28,84.33 60.28,85.09 60.5,85.31 60.5,87.57 60.22,87.85 60.22,89.04 59.69,89.57 SW1#9.1 ; 52.42,83.73 52.23,83.73 52.23,83.73 52.02,83.73 51.55,83.73 51.22,83.4 51.22,81.93 50.5,81.21 v1(50.5,81.14) ; 52.42,83.73 52.42,83.73 ; 52.42,26.58 52.42,26.58 ; 52.42,26.58 52.52,26.58 52.62,26.68 53.92,26.68 54.08,26.84 59.99,26.84 60.27,27.12 60.27,27.16 60.28,27.18 60.28,27.18 60.28,27.94 60.5,28.16 60.5,30.42 60.22,30.7 60.22,31.89 59.69,32.42 SW1#23.1 ; 109.57,43.25 109.67,43.25 109.77,43.35 111.08,43.35 111.23,43.51 117.14,43.51 117.42,43.79 117.42,43.83 117.43,43.83 117.43,43.85 117.43,43.85 117.43,44.61 117.65,44.83 117.65,47.09 117.37,47.37 117.37,48.56 116.84,49.09 SW1#25.1 ; 109.57,43.25 109.58,43.25
